# Altium PCB DigitalLabBoard_Y.PcbDoc (part 1 of 3)
Units mm, origin at the board's own origin, x right, y up, seen from the top; angles counter-clockwise.
Board outline 155 x 105 mm, 2 copper layers (Top Layer, Bottom Layer), stack 1.571 mm thick; 188 components, 184 nets, 771 pads, 878 vias.
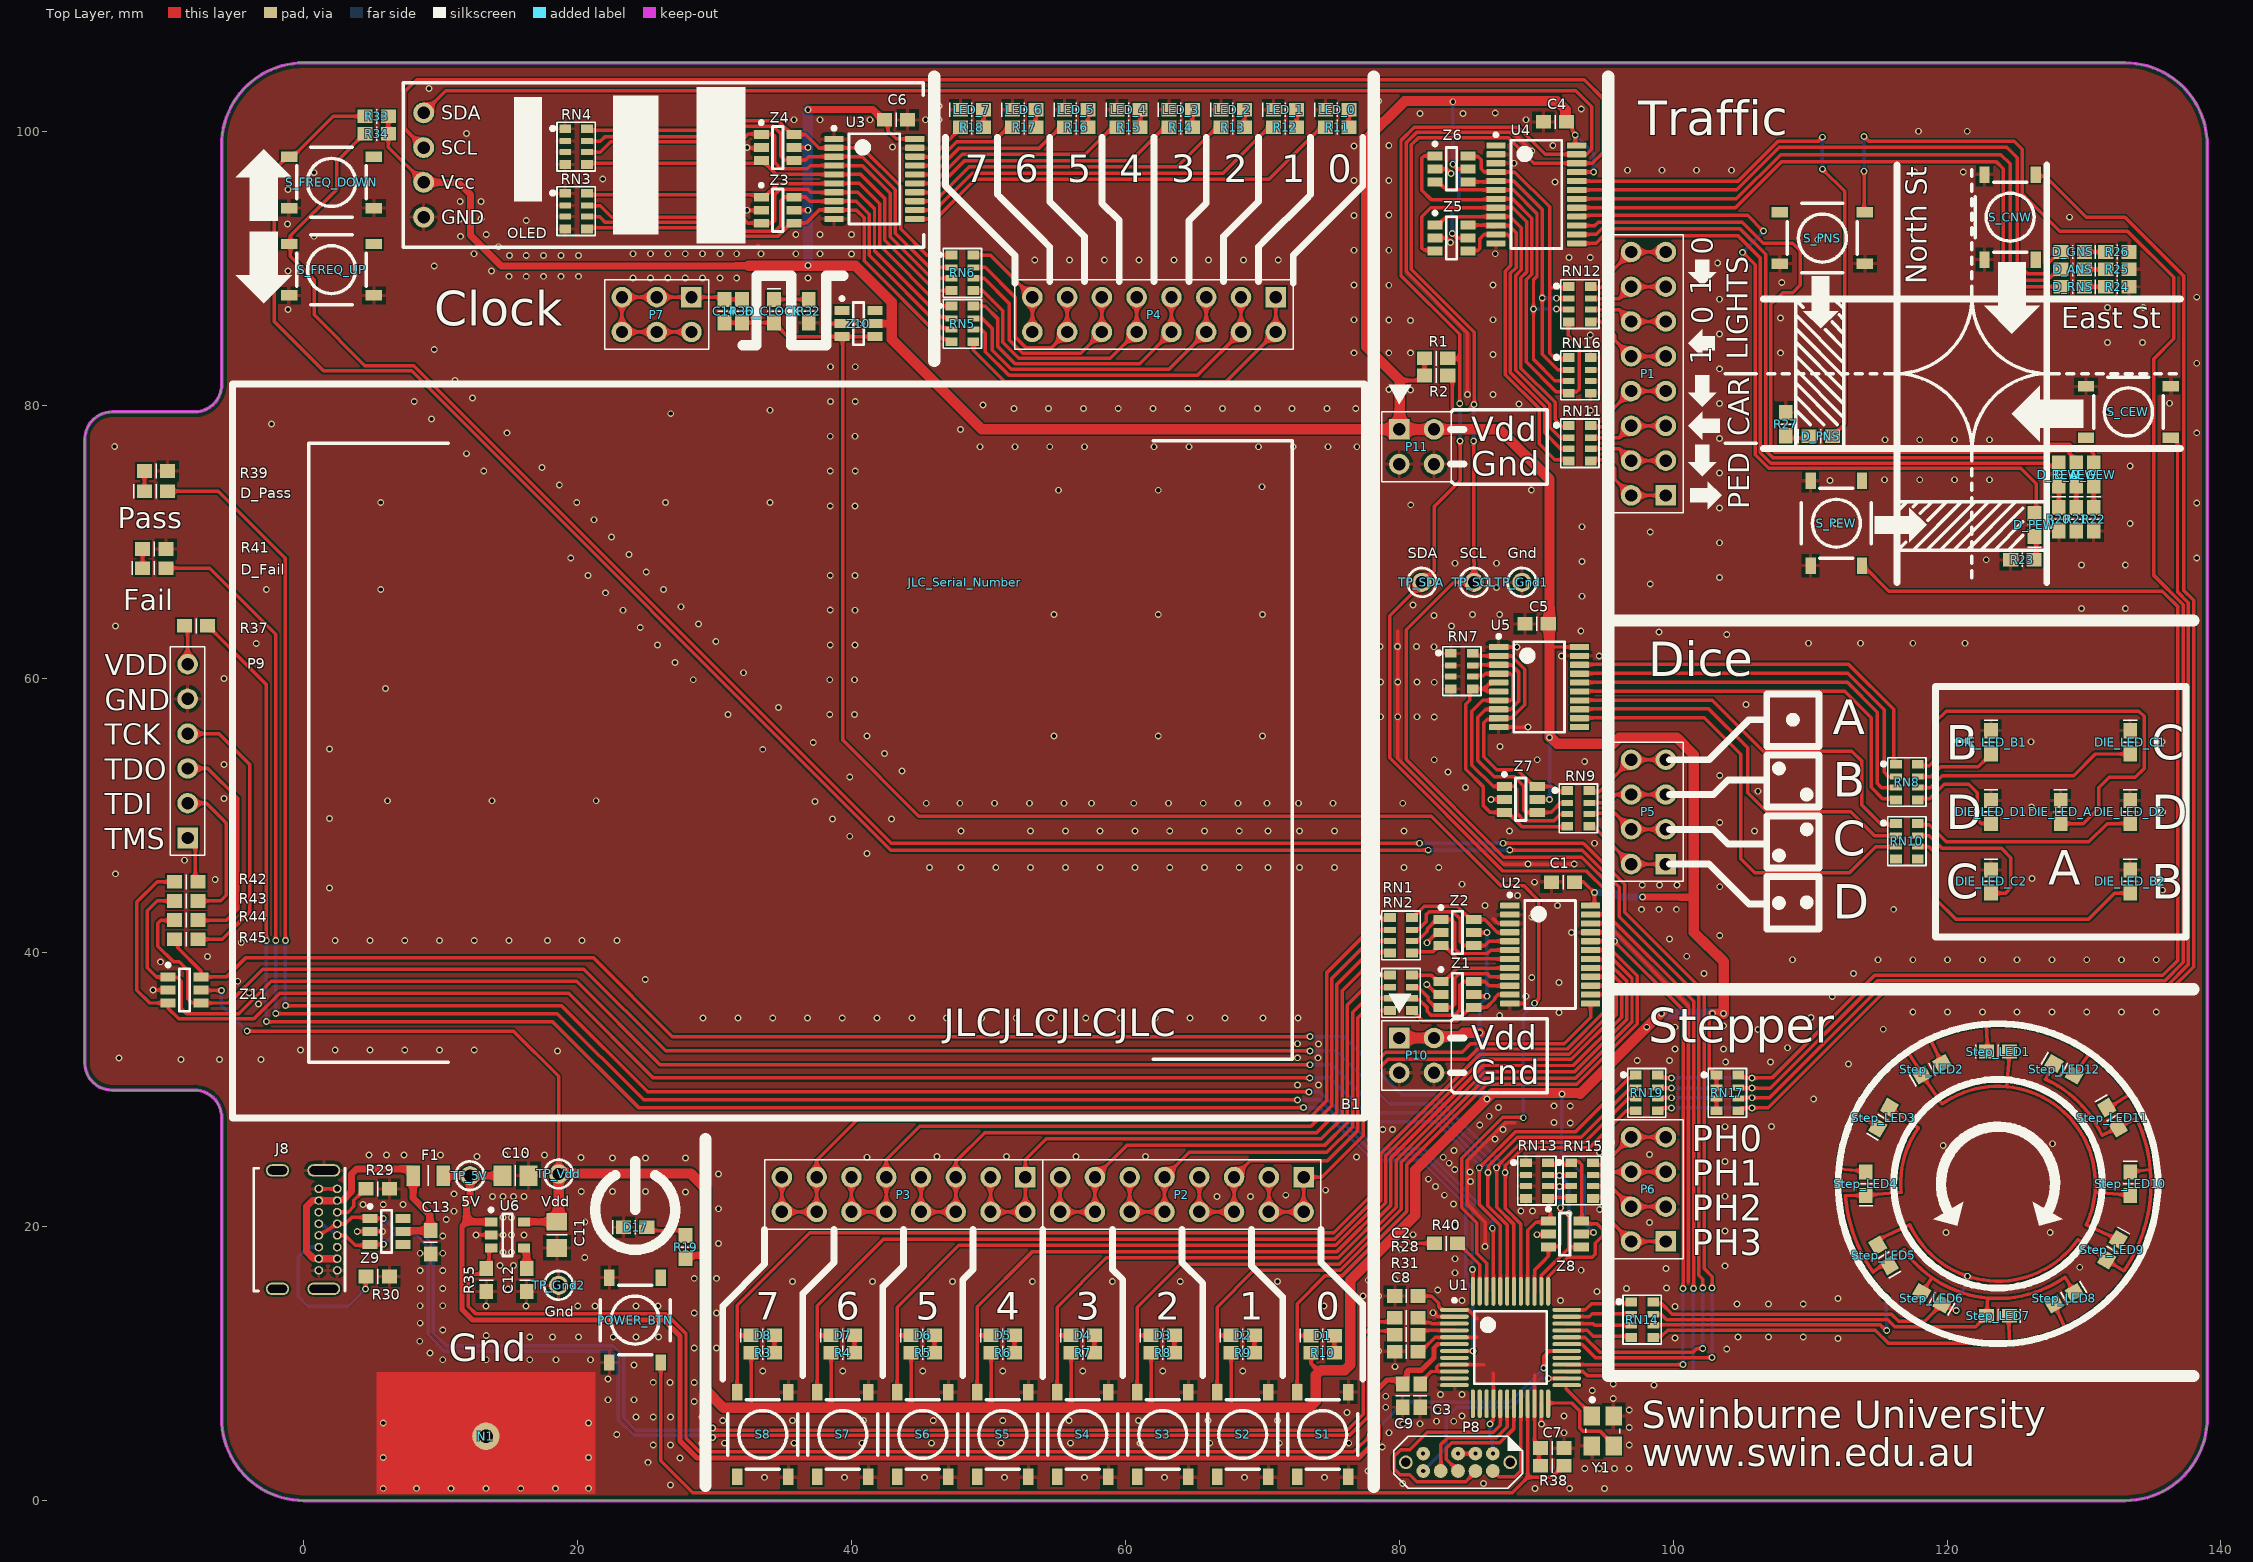
[diagram p0: Top Layer view]
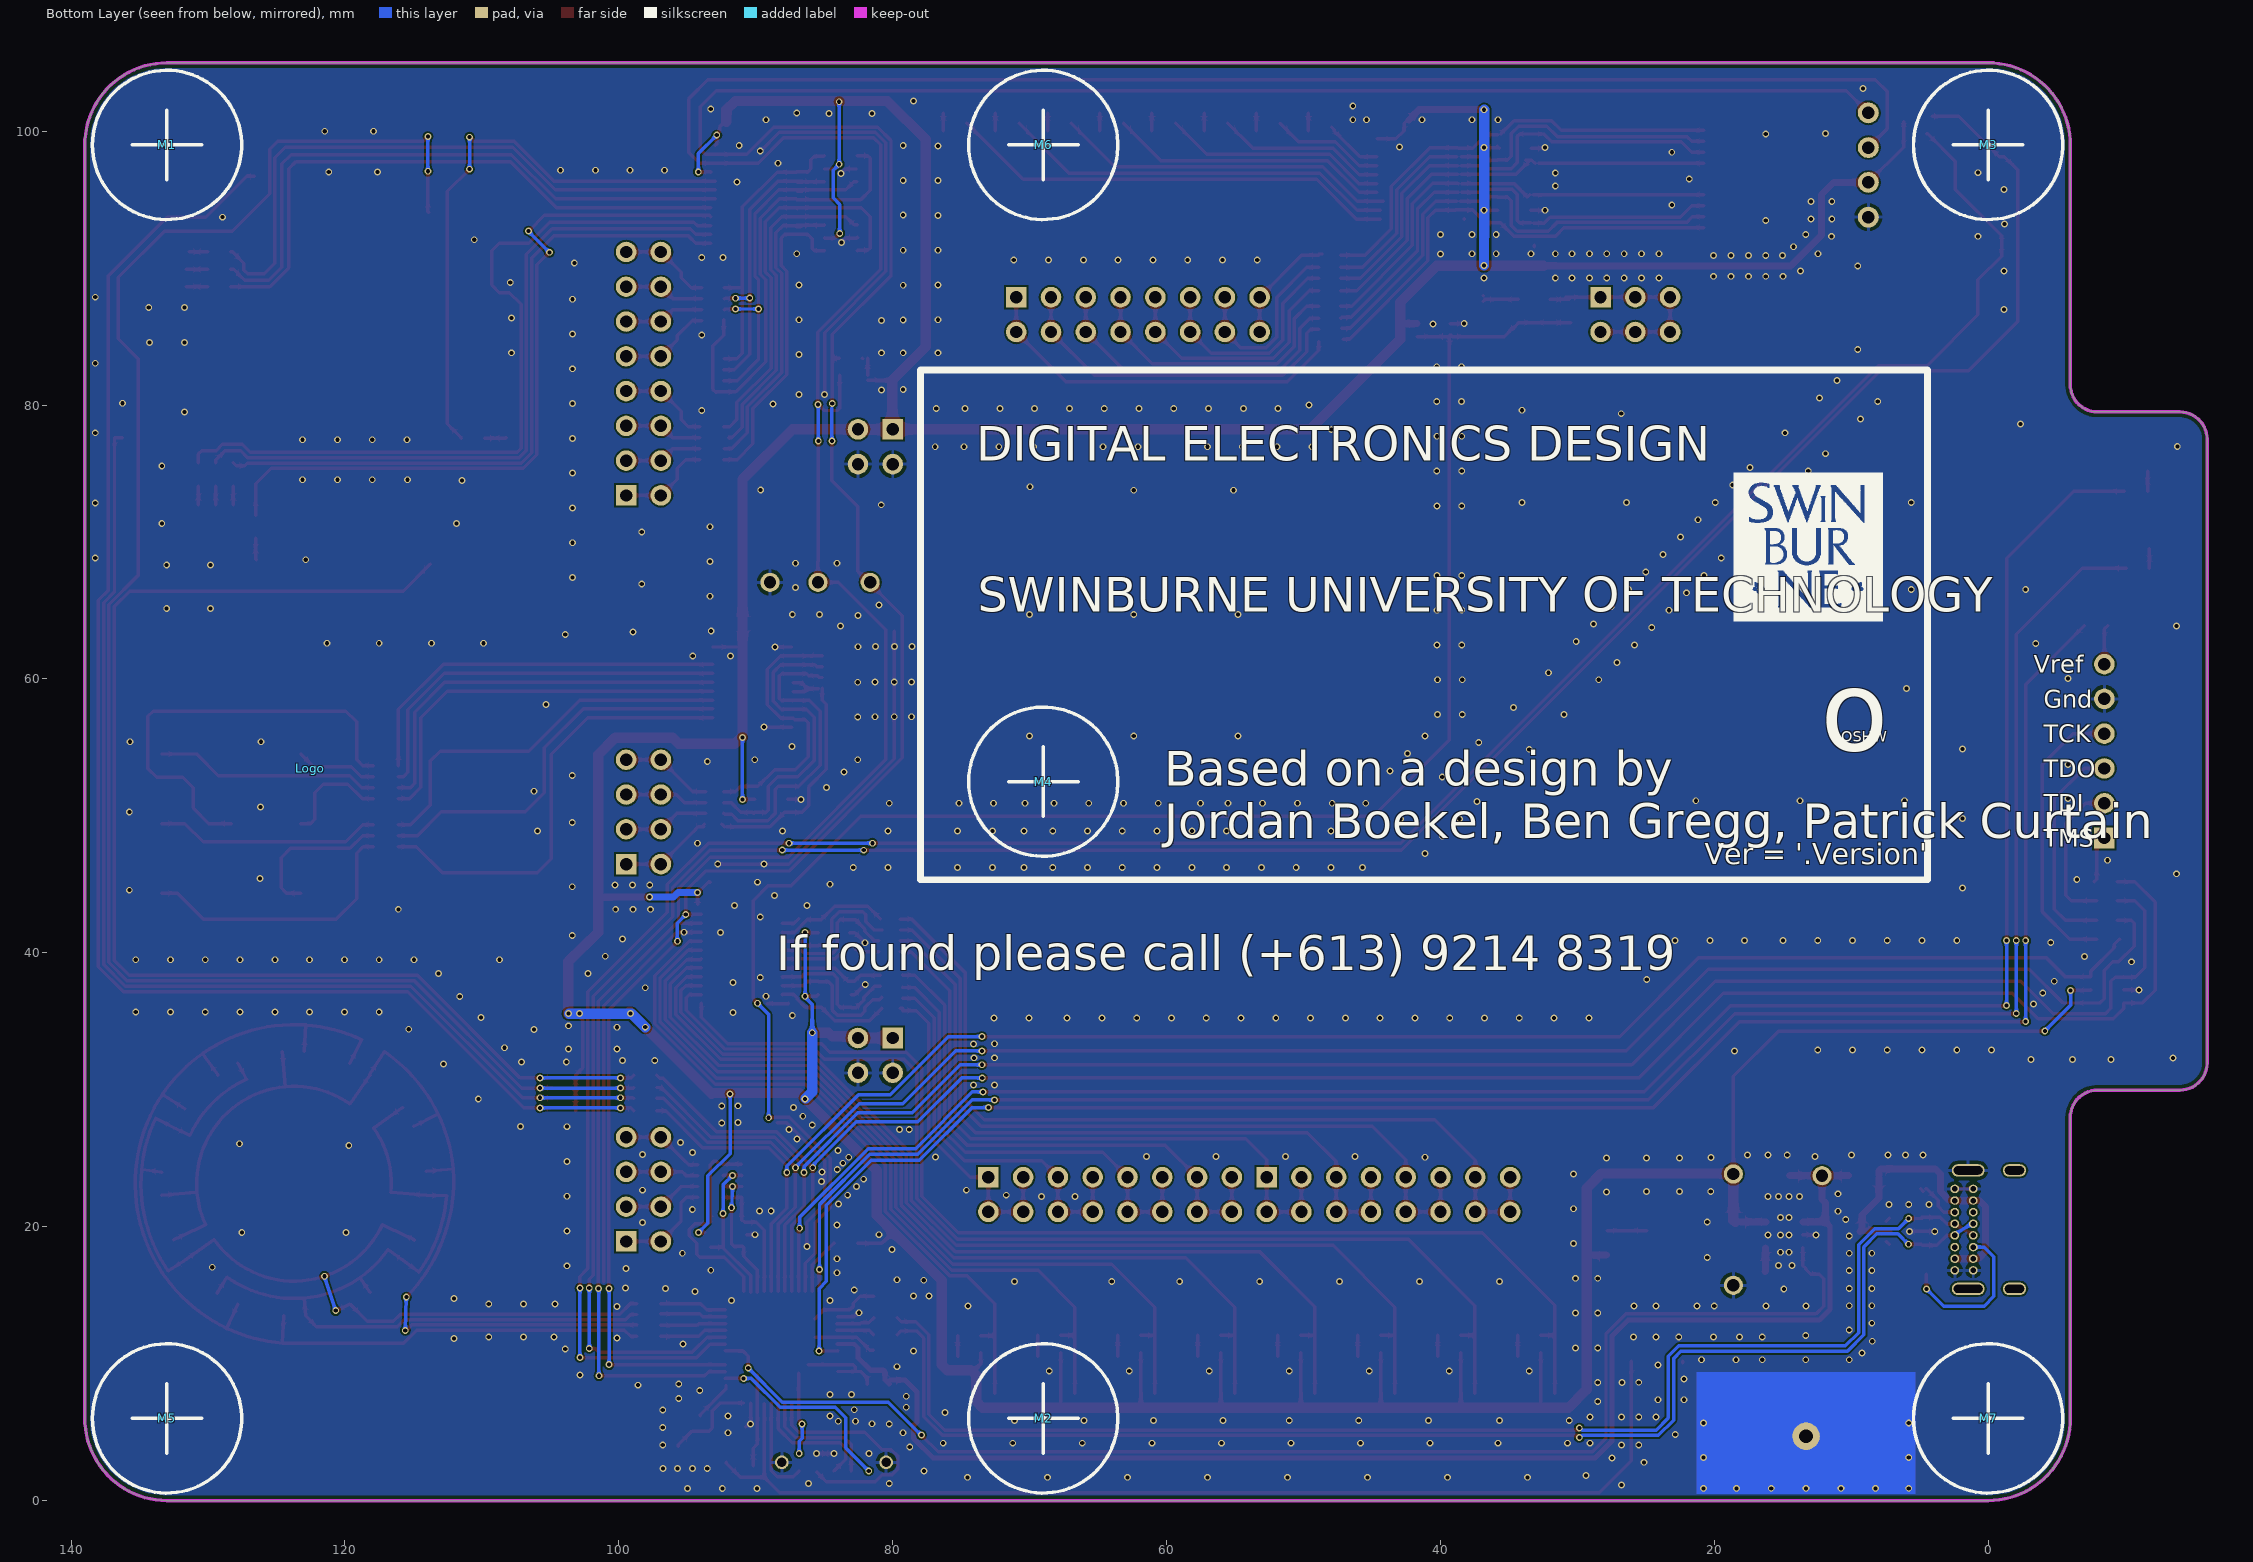
[diagram p1: Bottom Layer view, seen from below]
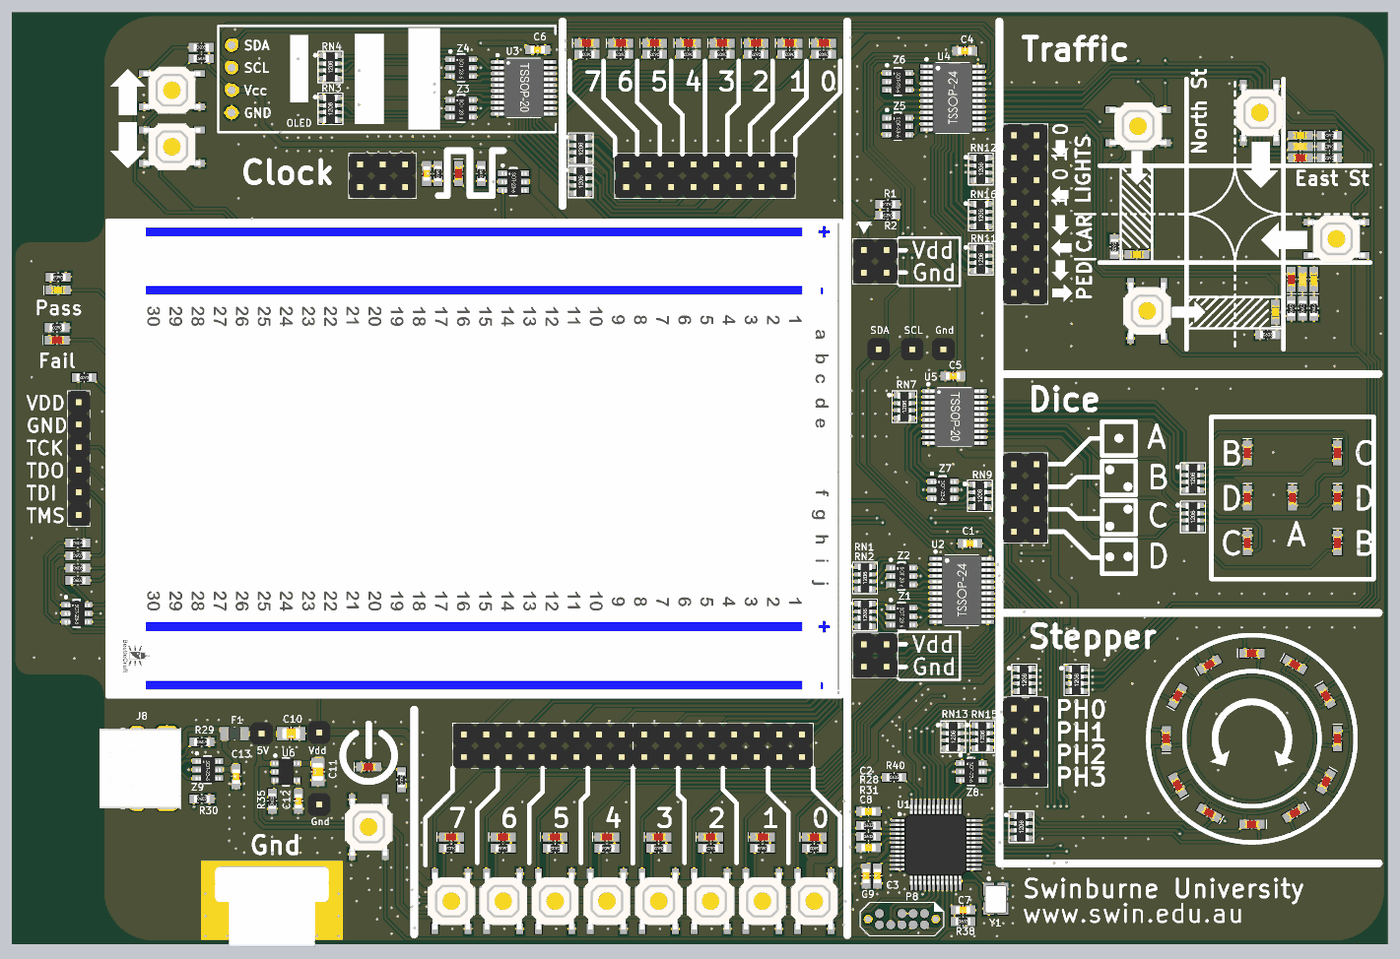
[diagram p4: 3D render of the assembled board from above, using the file's embedded part models]

## Layer stack, top to bottom
Top Solder: solder mask 0.0102, Solder Resist, Dk 3.5
Top Layer: signal copper 0.0356
Dielectric 1: dielectric 1.5, FR-4, Dk 4.8
Bottom Layer: signal copper 0.0356
Bottom Solder: solder mask 0.0102, Solder Resist, Dk 3.5

## Board outline
-14,29.972 -8,29.972 cw(c-8,27.972) -6,27.972 -6,6 ccw(c0,6) 0,0 133,0 ccw(c133,6) 139,6 139,98.999 ccw(c133,98.999) 133,104.999 133,105 0,105 ccw(c0,99) -6,99 -6,81.5 cw(c-8,81.5) -8,79.5 -14,79.5 ccw(c-14,77.5) -16,77.5 -16,31.972 ccw(c-14,31.972)

## Design rules (kind name [scope] priority, off if disabled: settings)
BoardOutlineClearance [All] p1: gap=0.381 ignorepadtopadclearanceinfootprint=FALSE
Clearance [All] p1: gap=0.127 ignorepadtopadclearanceinfootprint=FALSE
DiffPairsRouting [All] p1: maxlimit=0.127 minlimit=0.127 mostfreqgap=0.127 toplayer_minwidth=0.254 toplayer_maxwidth=0.254 toplayer_prefwidth=0.254 bottomlayer_minwidth=0.254 bottomlayer_maxwidth=0.254 bottomlayer_prefwidth=0.254 maxuncoupledlength=12.7
HoleSize [All] p1: absolutevalues=TRUE maxlimit=20 minlimit=0.25 maxpercent=80.000 minpercent=20.000
MinimumAnnularRing [All] p1: minimumring=0.089
MinimumSolderMaskSliver [All] p1 off: minsoldermaskwidth=0.254
PolygonConnect PolygonConnect_Via [IsVia] p1: connectstyle=Direct reliefconductorwidth=0.254 reliefentries=4 polygonreliefangle="90 Angle" airgapwidth=0.254
PolygonConnect [All] p2: connectstyle=Relief reliefconductorwidth=0.254 reliefentries=4 polygonreliefangle="90 Angle" airgapwidth=0.254
RoutingVias [All] p1: holewidth=0.711 width=1.27 viastyle="Through Hole" minholewidth=0.711 minwidth=1.27 maxholewidth=0.711 maxwidth=1.27
SilkToSilkClearance [All] p1 off: silktosilkclearance=0.254
SilkToSolderMaskClearance [IsPad] p1 off: minsilkscreentomaskgap=0.254 clearancetoexposedcopper=TRUE
SolderMaskExpansion [All] p1: expansion=0.102
Width [All] p1: maxlimit=0.762 minlimit=0.254 preferedwidth=0.254
25 further rules are at their usual default settings.

## Classes and differential pairs
differential pair USBD_R: +USBD_R_P -USBD_R_N
differential pair USBD: +USBD_P -USBD_N

## Components (designator, comment, footprint, x,y, rotation, side; value= is the part's Value field where it differs from the comment)
B1 "Breadboard - 300 Hole" "BREADBOARD - 300 HOLES" 36.053,54.736 r0 top locked
C1 "100nF" CCNP1608-0603 91.959,45.16 r0 top
C2 "100nF" CCNP1608-0603 80.518,14.934 r0 top
C3 "100nF" CCNP1608-0603 81.519,7.665 r90 top
C4 "100nF" CCNP1608-0603 91.374,100.685 r0 top
C5 "100nF" CCNP1608-0603 90.028,64.032 r0 top
C6 "100nF" CCNP1608-0603 43.244,100.837 r180 top
C7 "100nF" CCNP1608-0603 91.171,3.834 r180 top
C8 "2.2uF" CCNP1608-0603 80.518,10.871 r0 top
C9 "1uF" CCNP1608-0603 80.249,7.665 r90 top
C10 "10uF" CCNP2012-0805 15.454,23.723 r180 top
C11 "10uF" CCNP2012-0805 18.476,19.405 r90 top
C12 "10nF" CCNP1608-0603 16.27,16.103 r90 top
C13 "100nF" CCNP1608-0603 9.256,18.871 r90 top
C14 "100nF" CCNP1608-0603 30.719,86.867 r270 top
D1 "LED Red" LED1608-0603-RED 74.407,12.044 r0 top
D2 "LED Red" LED1608-0603-RED 68.565,12.064 r0 top
D3 "LED Red" LED1608-0603-RED 62.723,12.064 r0 top
D4 "LED Red" LED1608-0603-RED 56.881,12.064 r0 top
D5 "LED Red" LED1608-0603-RED 51.039,12.064 r0 top
D6 "LED Red" LED1608-0603-RED 45.197,12.064 r0 top
D7 "LED Red" LED1608-0603-RED 39.355,12.064 r0 top
D8 "LED Red" LED1608-0603-RED 33.513,12.064 r0 top
D17 "LED Red" LED1608-0603-RED 24.191,19.96 r0 top
D_AEW "LED Yellow" LED1608-0603-YELLOW 129.438,74.929 r90 top
D_ANS "LED Yellow" LED1608-0603-YELLOW 129.184,89.915 r180 top
D_CLOCK "LED Red" LED1608-0603-RED 34.326,86.867 r270 top
D_Fail "LED Red" LED1608-0603-RED -10.922,68.097 r0 top
D_GEW "LED Green" LED1608-0603-GREEN 130.708,74.929 r90 top
D_GNS "LED Green" LED1608-0603-GREEN 129.184,91.185 r180 top
D_Pass "LED Green" LED1608-0603-GREEN -10.795,73.715 r0 top
D_PEW "LED Green" LED1608-0603-GREEN 126.39,71.246 r90 top
D_PNS "LED Green" LED1608-0603-GREEN 110.769,77.723 r0 top
D_REW "LED Red" LED1608-0603-RED 128.168,74.929 r90 top
D_RNS "LED Red" LED1608-0603-RED 129.184,88.645 r180 top
DIE_LED_A "LED Red" LED1608-0603-RED 128.295,50.291 r270 top
DIE_LED_B1 "LED Red" LED1608-0603-RED 123.215,55.371 r270 top
DIE_LED_B2 "LED Red" LED1608-0603-RED 133.375,45.211 r270 top
DIE_LED_C1 "LED Red" LED1608-0603-RED 133.375,55.371 r270 top
DIE_LED_C2 "LED Red" LED1608-0603-RED 123.215,45.211 r270 top
DIE_LED_D1 "LED Red" LED1608-0603-RED 123.215,50.291 r270 top
DIE_LED_D2 "LED Red" LED1608-0603-RED 133.375,50.291 r270 top
F1 "SMD0805-050" SMD0805-050 9.078,23.723 r0 top
J8 "USB4085-GF-A" USB4085-GF-A -1.59,19.786 r0 top locked
JLC_Serial_Number "JLC_Serial_Number" JLC_Serial_Number 48.245,67.067 r0 top
LED_0 "LED Red" LED1608-0603-RED 75.462,101.573 r0 top
LED_1 "LED Red" LED1608-0603-RED 71.652,101.573 r0 top
LED_2 "LED Red" LED1608-0603-RED 67.842,101.573 r0 top
LED_3 "LED Red" LED1608-0603-RED 64.032,101.573 r0 top
LED_4 "LED Red" LED1608-0603-RED 60.222,101.573 r0 top
LED_5 "LED Red" LED1608-0603-RED 56.412,101.573 r0 top
LED_6 "LED Red" LED1608-0603-RED 52.602,101.573 r0 top
LED_7 "LED Red" LED1608-0603-RED 48.792,101.573 r0 top
Logo "OSHW Logo" OSHW 122.54,53.475 r180 bottom
M1 "Plastic Bumper" Bumper_RBS-2 133,98.999 r180 bottom locked
M2 "Plastic Bumper" Bumper_RBS-2 68.999,5.999 r180 bottom locked
M3 "Plastic Bumper" Bumper_RBS-2 0,98.999 r180 bottom locked
M4 "Plastic Bumper" Bumper_RBS-2 68.999,52.5 r180 bottom locked
M5 "Plastic Bumper" Bumper_RBS-2 133,5.999 r180 bottom locked
M6 "Plastic Bumper" Bumper_RBS-2 68.999,98.999 r180 bottom locked
M7 "Plastic Bumper" Bumper_RBS-2 0,5.999 r180 bottom locked
N1 "Gnd" NALCLIP-EDGE 13.295,4.698 r0 top
OLED "OLED_Display" OLED_DISPLAY_128X32 8.748,101.345 r0 top locked
P1 "Header 2x8" HDR2X8S 99.466,73.405 r90 top locked
P2 "Header 2x8" HDR2X8S 73.01,23.621 r180 top locked
P3 "Header 2x8" HDR2X8S 52.69,23.621 r180 top locked
P4 "Header 2x8" HDR2X8S 70.978,87.883 r180 top locked
P5 "Header 2x4" HDR2X4S 99.466,46.481 r90 top locked
P6 "Header 2x4" HDR2X4S 99.466,18.922 r90 top locked
P7 "Header 2x3" HDR2X3S 28.306,87.883 r180 top locked
P8 "SWD Connector 2x5-Pin" SWD-2X5-JIG-PADS 86.828,3.428 r180 top locked
P9 "Header, 6-Pin" HDR1X6S -8.492,48.386 r90 top
P10 "Header 2x2" HDR2X2S 79.995,33.781 r270 top
P11 "Header 2x2" HDR2X2S 79.995,78.231 r270 top
POWER_BTN "SMD-SW-4_5.1x5.1x2.0_M" SMD-SW-4_5.1x5.1x2.0_M 24.191,13.182 r90 top
R1 "4.7K" CR1608-0603 82.688,83.413 r180 top
R2 "4.7K" CR1608-0603 82.688,82.168 r180 top
R3 "1K" CR1608-0603 33.513,10.794 r180 top
R4 "1K" CR1608-0603 39.355,10.794 r180 top
R5 "1K" CR1608-0603 45.197,10.794 r180 top
R6 "1K" CR1608-0603 51.039,10.794 r180 top
R7 "1K" CR1608-0603 56.881,10.794 r180 top
R8 "1K" CR1608-0603 62.723,10.794 r180 top
R9 "1K" CR1608-0603 68.565,10.794 r180 top
R10 "1K" CR1608-0603 74.407,10.794 r180 top
R11 "1K" CR1608-0603 75.462,100.303 r180 top
R12 "1K" CR1608-0603 71.652,100.303 r180 top
R13 "1K" CR1608-0603 67.842,100.303 r180 top
R14 "1K" CR1608-0603 64.032,100.303 r180 top
R15 "1K" CR1608-0603 60.222,100.303 r180 top
R16 "1K" CR1608-0603 56.412,100.303 r180 top
R17 "1K" CR1608-0603 52.602,100.303 r180 top
R18 "1K" CR1608-0603 48.792,100.303 r180 top
R19 "1K" CR1608-0603 27.874,18.516 r270 top
R20 "1K" CR1608-0603 128.168,71.673 r90 top
R21 "560R" CR1608-0603 129.438,71.673 r90 top
R22 "1K" CR1608-0603 130.708,71.673 r90 top
R23 "1K" CR1608-0603 125.501,68.706 r0 top
R24 "1K" CR1608-0603 132.44,88.645 r180 top
R25 "560R" CR1608-0603 132.44,89.915 r180 top
R26 "1K" CR1608-0603 132.44,91.185 r180 top
R27 "1K" CR1608-0603 108.229,78.612 r270 top
R28 "33R" CR1608-0603 80.518,13.36 r0 top
R29 "5.1K" CR1608-0603 5.395,22.761 r0 top
R30 "5.1K" CR1608-0603 5.395,16.357 r0 top
R31 "33R" CR1608-0603 80.518,12.116 r0 top
R32 "1K" CR1608-0603 36.866,86.867 r270 top
R33 "10K" CR1608-0603 5.319,101.091 r0 top
R34 "10K" CR1608-0603 5.319,99.821 r0 top
R35 "10K" CR1608-0603 13.32,16.103 r90 top
R36 "100R" CR1608-0603 31.989,86.867 r270 top
R37 "10K" CR1608-0603 -7.874,63.881 r180 top
R38 "10K" CR1608-0603 91.171,2.539 r0 top
R39 "1K" CR1608-0603 -10.795,75.183 r180 top
R40 "470R" CR1608-0603 83.414,18.785 r0 top
R41 "1K" CR1608-0603 -10.922,69.494 r180 top
R42 "100R" CR1608-0603 -8.585,45.187 r0 top
R43 "100R" CR1608-0603 -8.585,43.79 r0 top
R44 "100R" CR1608-0603 -8.585,42.393 r0 top
R45 "100R" CR1608-0603 -8.585,40.996 r0 top
RN1 "470R" CR1206-0603_X4_L 80.122,41.274 r270 top
RN2 "470R" CR1206-0603_X4_L 80.122,37.083 r270 top
RN3 "10K" CR1206-0603_X4_L 19.878,94.17 r270 top
RN4 "10K" CR1206-0603_X4_L 19.878,98.884 r270 top
RN5 "470R" CR1206-0603_X4_L 48.093,85.927 r270 top
RN6 "470R" CR1206-0603_X4_L 48.093,89.661 r270 top
RN7 "10K" CR1206-0603_X4_L 84.567,60.578 r270 top
RN8 "1K" CR1206-0603_X4_L 117.068,52.475 r270 top
RN9 "470R" CR1206-0603_X4_L 93.076,50.545 r270 top
RN10 "1K" CR1206-0603_X4_L 117.068,48.157 r270 top
RN11 "470R" CR1206-0603_X4_L 93.178,77.215 r270 top
RN12 "470R" CR1206-0603_X4_L 93.178,87.375 r270 top
RN13 "10K" CR1206-0603_X4_L 90.054,23.367 r270 top
RN14 "470R" CR1206-0603_X4_L 97.739,13.208 r270 top
RN15 "470R" CR1206-0603_X4_L 93.344,23.372 r270 top
RN16 "10K" CR1206-0603_X4_L 93.178,82.168 r270 top
RN17 "10K" CR1206-0603_X4_L 103.962,29.769 r270 top
RN19 "1K" CR1206-0603_X4_L 98.07,29.769 r270 top
S1 "SMD-SW-4_5.1x5.1x2.0_M" SMD-SW-4_5.1x5.1x2.0_M 74.407,4.825 r90 top
S2 "SMD-SW-4_5.1x5.1x2.0_M" SMD-SW-4_5.1x5.1x2.0_M 68.565,4.825 r90 top
S3 "SMD-SW-4_5.1x5.1x2.0_M" SMD-SW-4_5.1x5.1x2.0_M 62.723,4.825 r90 top
S4 "SMD-SW-4_5.1x5.1x2.0_M" SMD-SW-4_5.1x5.1x2.0_M 56.881,4.825 r90 top
S5 "SMD-SW-4_5.1x5.1x2.0_M" SMD-SW-4_5.1x5.1x2.0_M 51.039,4.825 r90 top
S6 "SMD-SW-4_5.1x5.1x2.0_M" SMD-SW-4_5.1x5.1x2.0_M 45.197,4.825 r90 top
S7 "SMD-SW-4_5.1x5.1x2.0_M" SMD-SW-4_5.1x5.1x2.0_M 39.355,4.825 r90 top
S8 "SMD-SW-4_5.1x5.1x2.0_M" SMD-SW-4_5.1x5.1x2.0_M 33.513,4.825 r90 top
S_CEW "SMD-SW-4_5.1x5.1x2.0_M" SMD-SW-4_5.1x5.1x2.0_M 133.248,79.501 r180 top
S_CNW "SMD-SW-4_5.1x5.1x2.0_M" SMD-SW-4_5.1x5.1x2.0_M 124.612,93.725 r270 top
S_FREQ_DOWN "SMD-SW-4_5.1x5.1x3.5_M" SMD-SW-4_5.1x5.1x3.5_M 2.017,96.265 r180 top
S_FREQ_UP "SMD-SW-4_5.1x5.1x3.5_M" SMD-SW-4_5.1x5.1x3.5_M 2.017,89.891 r180 top
S_PEW "SMD-SW-4_5.1x5.1x2.0_M" SMD-SW-4_5.1x5.1x2.0_M 111.912,71.373 r90 top
S_PNS "SMD-SW-4_5.1x5.1x2.0_M" SMD-SW-4_5.1x5.1x2.0_M 110.896,92.201 r0 top
Step_LED1 "LED Red" LED1608-0603-RED 123.723,32.79 r0 top
Step_LED2 "LED Red" LED1608-0603-RED 118.897,31.497 r30 top
Step_LED3 "LED Red" LED1608-0603-RED 115.364,27.964 r60 top
Step_LED4 "LED Red" LED1608-0603-RED 114.071,23.138 r90 top
Step_LED5 "LED Red" LED1608-0603-RED 115.364,17.906 r120 top
Step_LED6 "LED Red" LED1608-0603-RED 118.897,14.78 r150 top
Step_LED7 "LED Red" LED1608-0603-RED 123.723,13.486 r180 top
Step_LED8 "LED Red" LED1608-0603-RED 128.549,14.78 r210 top
Step_LED9 "LED Red" LED1608-0603-RED 132.082,18.312 r240 top
Step_LED10 "LED Red" LED1608-0603-RED 133.375,23.138 r270 top
Step_LED11 "LED Red" LED1608-0603-RED 132.082,27.964 r300 top
Step_LED12 "LED Red" LED1608-0603-RED 128.549,31.497 r330 top
TP_5V "5V" "PCBPIN - 0.9mm" 12.126,23.723 r0 top
TP_Gnd1 "Gnd" "PCBPIN - 0.9mm" 88.959,67.056 r90 top
TP_Gnd2 "Gnd" "PCBPIN - 0.9mm" 18.603,15.722 r0 top
TP_SCL "SCL" "PCBPIN - 0.9mm" 85.456,67.056 r90 top
TP_SDA "SDA" "PCBPIN - 0.9mm" 81.646,67.056 r90 top
TP_Vdd "Vdd" "PCBPIN - 0.9mm" 18.603,23.85 r90 top
U1 "MK20DX128VLF5" TSQFP50P900X900-48M 88.123,11.175 r270 top locked
U2 "PCA9555PW,118" TSSOP24_N 91.019,39.877 r270 top
U3 "74HC541PW,118" TSSOP20_N 41.667,96.519 r270 top
U4 "PCA9535PW,118" TSSOP24_N 90.003,95.39 r270 top
U5 "74HC541PW,118" TSSOP20_N 90.206,59.41 r270 top
U6 "SPX3819M5-L-3-3/TR" SOT-23-5_L 14.873,19.405 r180 top
Y1 "16 MHz" CRYSTAL_SMD_3.2X2.5 94.854,5.079 r270 top
Z1 "CM1293A-04SO" SOT457_N 84.237,36.956 r0 top
Z2 "CM1293A-04SO" SOT457_N 84.237,41.481 r0 top
Z3 "CM1293A-04SO" SOT457_N 34.605,94.233 r0 top
Z4 "CM1293A-04SO" SOT457_N 34.605,98.805 r0 top
Z5 "CM1293A-04SO" SOT457_N 83.805,92.201 r0 top
Z6 "CM1293A-04SO" SOT457_N 83.805,97.256 r0 top
Z7 "CM1293A-04SO" SOT457_N 88.873,51.21 r0 top
Z8 "CM1293A-04SO" SOT457_N 92.086,19.455 r0 top
Z9 "CM1293A-04SO" SOT457_N 6.03,19.659 r0 top
Z10 "CM1293A-04SO" SOT457_N 40.498,85.953 r0 top
Z11 "CM1293A-04SO" SOT457_N -8.712,37.287 r0 top
